# Altium PCB Copy of pioneer_2-bluepill_eletronic_wrapper.PcbDoc
Units mm, origin at the board's own origin, x right, y up, seen from the top; angles counter-clockwise.
Board outline 74.55 x 93.73 mm, 2 copper layers (Top Layer, Bottom Layer); 77 components, 73 nets, 284 pads, 72 vias.
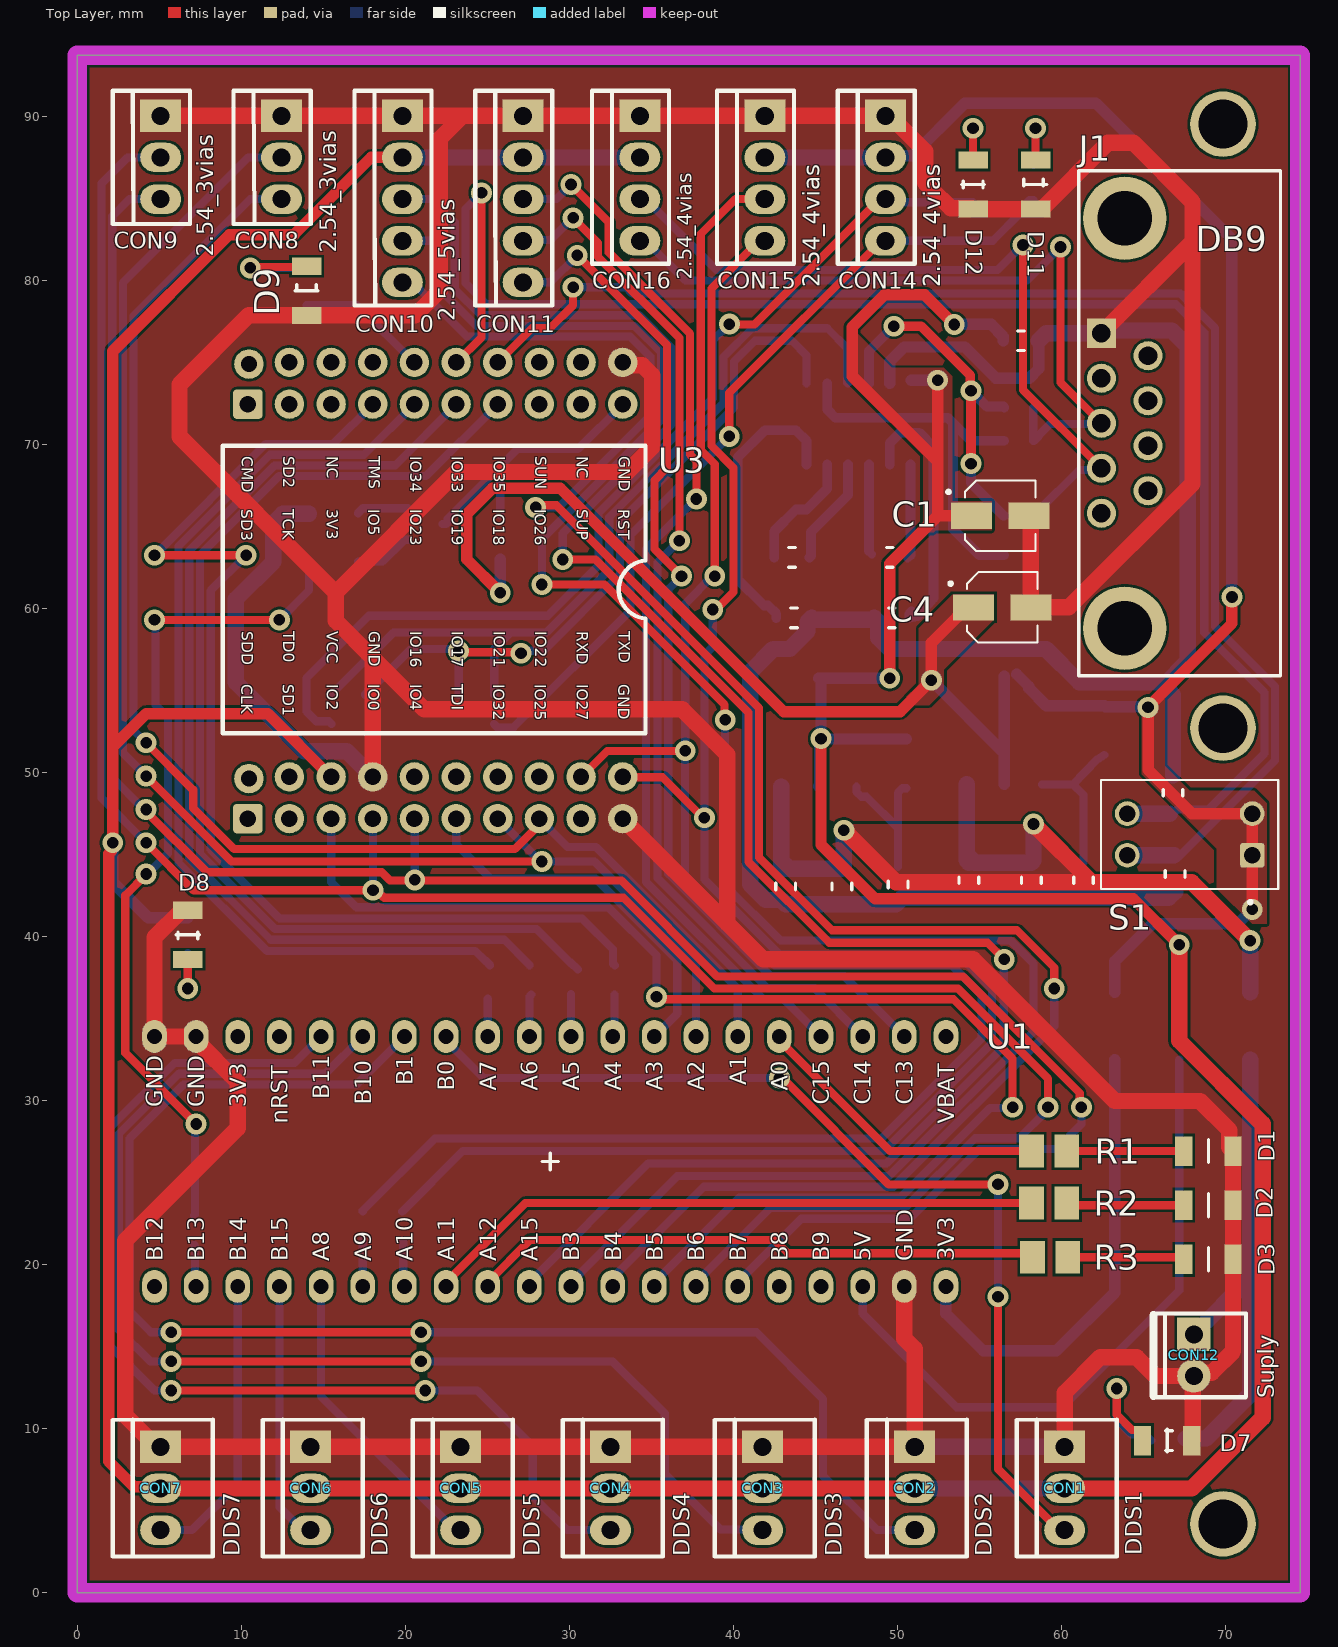
[diagram p0: Top Layer view]
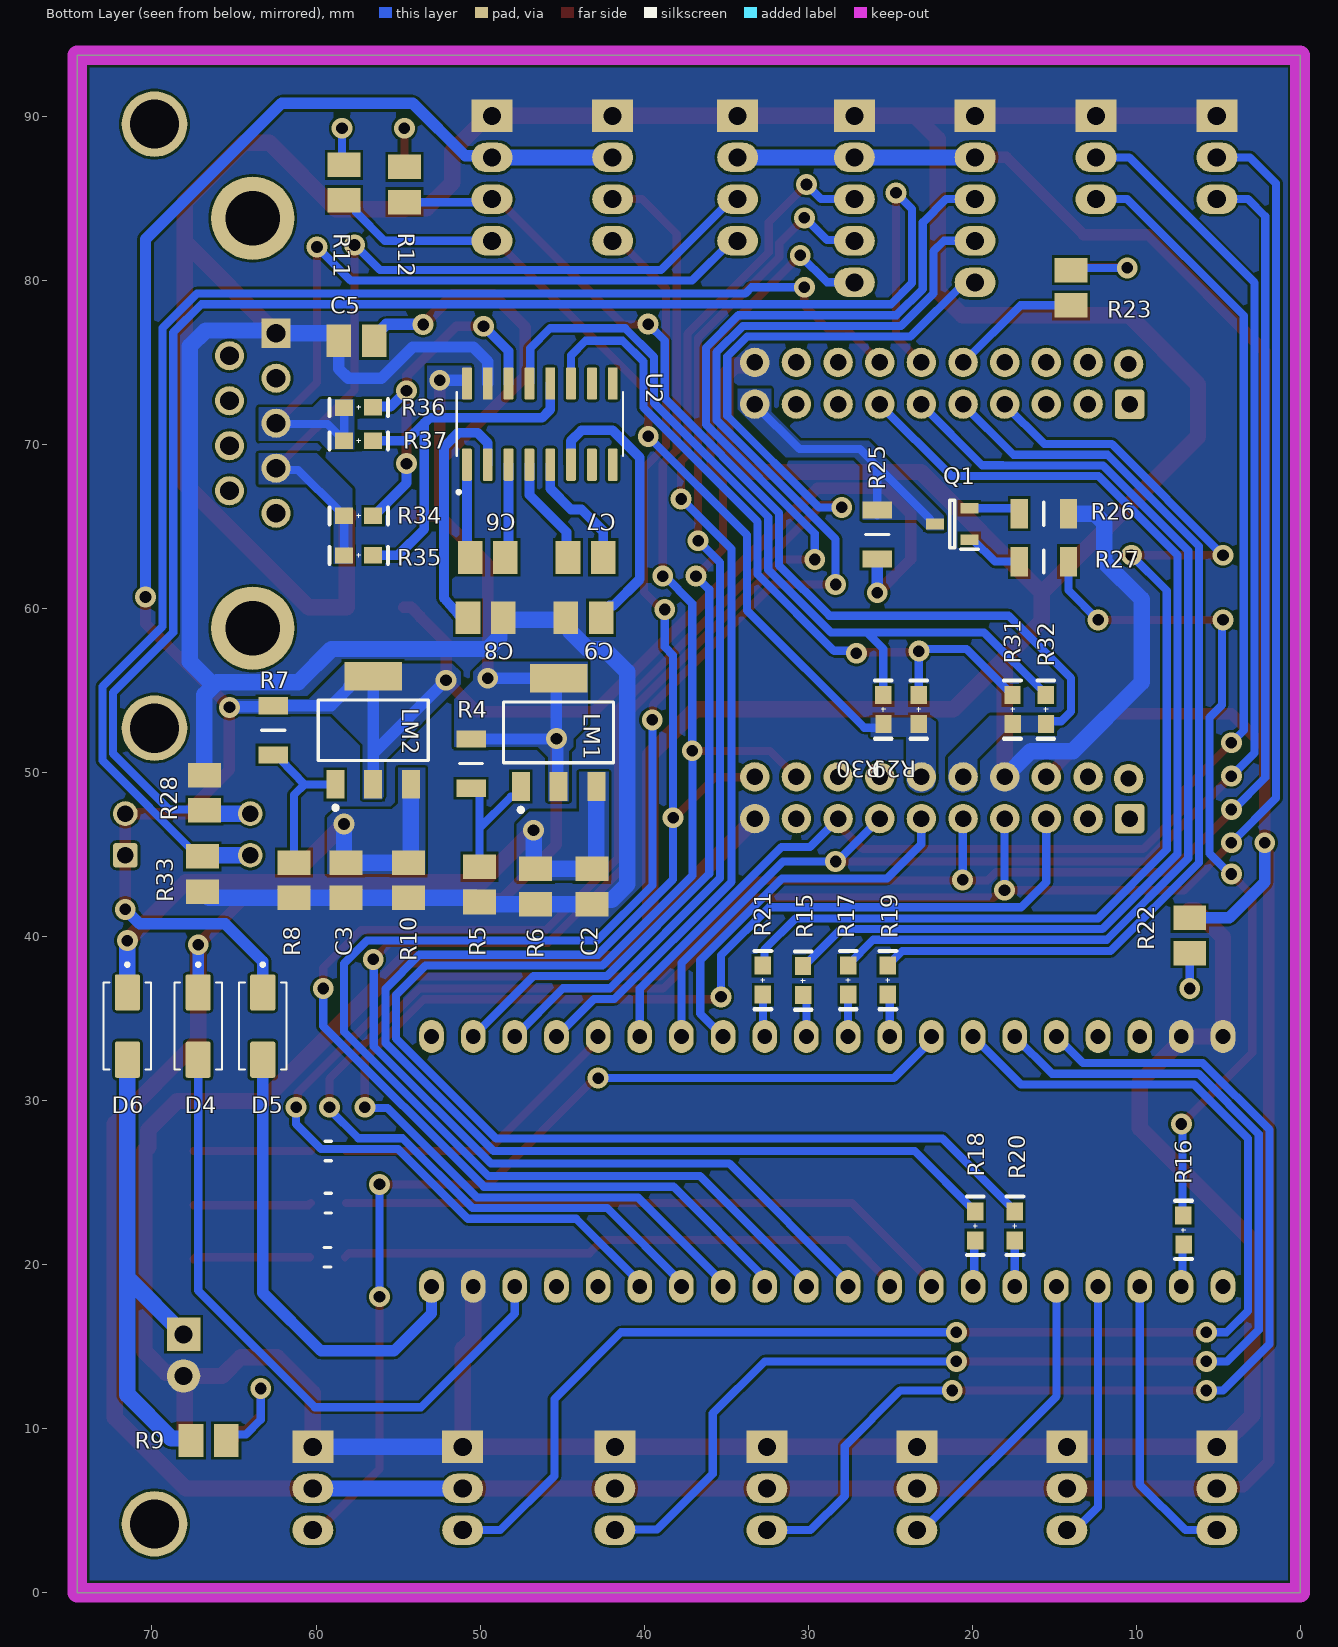
[diagram p1: Bottom Layer view, seen from below]

## Layer stack, top to bottom
Top Solder: solder mask 0.0102, Solder Resist, Dk 3.5
Top Layer: signal copper 0.0356
Dielectric 1: dielectric 0.32, FR-4, Dk 4.8
Bottom Layer: signal copper 0.0356
Bottom Solder: solder mask 0.0102, Solder Resist, Dk 3.5

## Board outline
0,0 74.549,0 74.549,93.726 0,93.726

## Design rules (kind name [scope] priority, off if disabled: settings)
Clearance [All] p1: gap=0.152 ignorepadtopadclearanceinfootprint=FALSE except(0: Arc-Hole Track-Hole SMDPad-Hole THPad-Hole Via-Hole Fill-Hole Poly-Hole Region-Hole Text-Hole)
ComponentClearance [All] p1: gap=0.1 collisioncheckmode=3 verticalgap=0.1 showdistances=FALSE
HoleSize [All] p1: absolutevalues=TRUE maxlimit=3.4 minlimit=0.025 maxpercent=80.000 minpercent=20.000
MinimumSolderMaskSliver [All] p1: minsoldermaskwidth=0.1
PolygonConnect [All] p1: connectstyle=Direct reliefconductorwidth=0.254 reliefentries=4 polygonreliefangle="90 Angle" airgapwidth=0.254
RoutingVias [All] p1: holewidth=0.4 width=0.8 viastyle="Through Hole" minholewidth=0.3 minwidth=0.6 maxholewidth=0.5 maxwidth=1
SilkToSilkClearance [All] p1: silktosilkclearance=0
SilkToSolderMaskClearance [IsPad] p1: minsilkscreentomaskgap=0 clearancetoexposedcopper=TRUE
SolderMaskExpansion [All] p1: expansion=0.08 istentingtop=FALSE
SupplyNets "Schematic Supply Nets_4" [InNet('gnd')] p1: voltage=0.000
SupplyNets "Schematic Supply Nets_3" [InNet('3v3')] p2: voltage=0.000
SupplyNets "Schematic Supply Nets_2" [InNet('5v')] p3: voltage=0.000
SupplyNets "Schematic Supply Nets" [InNet('VCC')] p4: voltage=0.000
Width [All] p1: maxlimit=1 minlimit=0.3 preferedwidth=0.5
25 further rules are at their usual default settings.

## Classes and differential pairs
component class U_pioneer_2-bluepill_eletronic_wrapper-supply: C1 C2 C3 C4 CON12 D4 D5 D6 D7 LM1 LM2 R4 R5 R6 R7 R8 R9 R10
component class U_pioneer_2-bluepill_eletronic_wrapper-communication: C5 C6 C7 C8 C9 CON14 CON15 CON16 D8 D9 D11 D12 J1 Q1 R11 R12 R15 R16 R17 R18 R19 R20 R21 R22 R23 R25 R26 R27 R28 R29 R30 R31 R32 R33 R34 R35 R36 R37 S1 U2 U3
component class pioneer_2-bluepill_eletronic_wrapper: CON1 CON2 CON3 CON4 CON5 CON6 CON7 CON8 CON9 CON10 CON11 D1 D2 D3 R1 R2 R3 U1

## Components (designator, comment, footprint, x,y, rotation, side; value= is the part's Value field where it differs from the comment)
C1 "smd 1uF" CAP_EEE1HA2R2SR 56.261,65.659 r0 top
C2 "0.1uF 0805" "CAPACITOR 0805" 43.18,43.053 r90 bottom
C3 "0.1uF 0805" "CAPACITOR 0805" 58.166,43.434 r90 bottom
C4 "smd 1uF" CAP_EEE1HA2R2SR 56.388,60.071 r0 top
C5 "1uF 0805" "CAPACITOR 0805" 57.531,76.327 r0 bottom
C6 "1uF 0805" "CAPACITOR 0805" 49.53,63.119 r0 bottom
C7 "1uF 0805" "CAPACITOR 0805" 43.561,63.119 r0 bottom
C8 "1uF 0805" "CAPACITOR 0805" 49.657,59.434 r0 bottom
C9 "1uF 0805" "CAPACITOR 0805" 43.688,59.436 r180 bottom
CON1 "DDS1" KK_3vias_180º 60.198,8.89 r270 top
CON2 "DDS2" KK_3vias_180º 51.054,8.89 r270 top
CON3 "DDS3" KK_3vias_180º 41.783,8.89 r270 top
CON4 "DDS4" KK_3vias_180º 32.512,8.89 r270 top
CON5 "DDS5" KK_3vias_180º 23.368,8.89 r270 top
CON6 "DDS6" KK_3vias_180º 14.224,8.89 r270 top
CON7 "DDS7" KK_3vias_180º 5.08,8.89 r270 top
CON8 "2.54_3vias" 3vias 12.446,90.043 r270 top
CON9 "2.54_3vias" 3vias 5.08,90.043 r270 top
CON10 "2.54_5vias" 5vias 19.812,90.043 r270 top
CON11 "2.54_5vias" 5vias 27.178,90.043 r270 top
CON12 "Suply" KK_2VIAS_180º 68.072,15.748 r270 top
CON14 "2.54_4vias" 4vias 49.276,90.043 r270 top
CON15 "2.54_4vias" 4vias 41.91,90.043 r270 top
CON16 "2.54_4vias" 4vias 34.29,90.043 r270 top
D1 "LED 3MM RED" "LED RED" 68.961,26.924 r0 top
D2 "LED 3MM RED" "LED RED" 68.961,23.622 r0 top
D3 "LED 3MM RED" "LED RED" 68.961,20.32 r0 top
D4 "Diode M7" DIOM505270X240 67.183,34.544 r270 bottom
D5 "Diode M7" DIOM505270X240 63.246,34.544 r270 bottom
D6 "Diode M7" DIOM505270X240 71.501,34.544 r270 bottom
D7 "LED 3MM RED" "LED RED" 66.445,9.271 r0 top
D8 "Led esp supply" "LED RED" 6.731,40.108 r90 top
D9 "Led state" "LED RED" 13.97,79.375 r270 top
D11 "Led TX" "LED RED" 58.42,85.852 r270 top
D12 "Led RX" "LED RED" 54.61,85.852 r270 top
J1 "DB9" *DB9_DB9(Primary) 63.856,71.298 r90 top
LM1 "LM317 Linear regulator - 5V" SOT-223-2 45.212,52.451 r180 bottom
LM2 "LM317 Linear regulator - 3V3" SOT-223-2 56.515,52.578 r180 bottom
Q1 "Trans BC817" SOT96P240X110-3N 21.209,65.151 r0 bottom
R1 "680R 0805" "RESISTOR 0805" 59.25,26.924 r180 top
R2 "680R 0805" "RESISTOR 0805" 59.25,23.749 r180 top
R3 "680R 0805" "RESISTOR 0805" 59.309,20.447 r180 top
R4 "1k 1206" RESC3216X60N 50.546,50.546 r90 bottom
R5 "3k 0805" "RESISTOR 0805" 50.038,43.18 r270 bottom
R6 "20k 0805" "RESISTOR 0805" 46.609,43.053 r270 bottom
R7 "3k3 1206" RESC3216X60N 62.611,52.578 r90 bottom
R8 "5k1 0805 5%" "RESISTOR 0805" 61.341,43.434 r90 bottom
R9 "680R 0805" "RESISTOR 0805" 66.548,9.271 r0 bottom
R10 "20k 0805" "RESISTOR 0805" 54.356,43.434 r270 bottom
R11 "680R 0805" "RESISTOR 0805" 58.293,85.979 r270 bottom
R12 "680R 0805" "RESISTOR 0805" 54.61,85.852 r270 bottom
R15 "0R" "RESISTOR 0603" 30.308,37.306 r90 bottom
R16 "0R" "RESISTOR 0603" 7.112,22.098 r90 bottom
R17 "0R" "RESISTOR 0603" 27.559,37.338 r90 bottom
R18 "0R" "RESISTOR 0603" 19.812,22.352 r90 bottom
R19 "0R" "RESISTOR 0603" 25.146,37.338 r90 bottom
R20 "0R" "RESISTOR 0603" 17.399,22.352 r90 bottom
R21 "0R" "RESISTOR 0603" 32.766,37.338 r90 bottom
R22 "680R 0805" "RESISTOR 0805" 6.731,40.064 r90 bottom
R23 "680R 0805" "RESISTOR 0805" 13.97,79.561 r270 bottom
R25 "2K2 1206" RESC3216X60N 25.781,64.516 r270 bottom
R26 "2K2 1206" RESC3216X60N 15.621,62.865 r180 bottom
R27 "2K2 1206" RESC3216X60N 15.621,65.786 r0 bottom
R28 "20k 0805" "RESISTOR 0805" 66.802,48.768 r270 bottom
R29 "0R" "RESISTOR 0603" 23.241,53.848 r270 bottom
R30 "0R" "RESISTOR 0603" 25.4,53.848 r270 bottom
R31 "0R" "RESISTOR 0603" 17.526,53.848 r270 bottom
R32 "0R" "RESISTOR 0603" 15.494,53.848 r270 bottom
R33 "20k 0805" "RESISTOR 0805" 66.929,43.815 r270 bottom
R34 "0R" "RESISTOR 0603" 57.404,65.659 r180 bottom
R35 "0R" "RESISTOR 0603" 57.404,63.246 r180 bottom
R36 "0R" "RESISTOR 0603" 57.404,72.263 r180 bottom
R37 "0R" "RESISTOR 0603" 57.404,70.231 r180 bottom
S1 "dip switch 2 channel" SW_DS02-254-2L-02BE 67.818,46.228 r90 top
U1 "BluePill" BluePill 28.829,26.289 r0 top
U2 "MAX3232ID" SOIC127P600X175-16N 46.355,71.247 r90 bottom
U3 "Small case to esp32 d1 mini" "ESP32 D1 MINI" 10.389,47.193 r270 top

## Footprints (in the part's own frame and the unit in brackets; to place one, negate y for a bottom-side part, rotate by r counter-clockwise, add the part's x,y. Pads: shape width x height; smd on the part's side, far side on the other; paste and mask are expansions set on the pad)
3vias [mm]
  rect 2x2.5 hole 1.1: 1(0,0)
  oval 1.8x2.5 hole 1.1: 2(2.54,0) 3(5.08,0)
  silkscreen extent -1.53,-2.92 6.6,1.78
4vias [mm]
  rect 2x2.5 hole 1.1: 1(0,0)
  oval 1.8x2.5 hole 1.1: 2(2.54,0) 3(5.08,0) 4(7.62,0)
  silkscreen extent -1.53,-2.92 9.02,1.78
5vias [mm]
  rect 2x2.5 hole 1.1: 1(0,0)
  oval 1.8x2.5 hole 1.1: 2(2.54,0) 3(5.08,0) 4(7.62,0) 5(10.16,0)
  silkscreen extent -1.53,-2.92 11.56,1.78
*DB9_DB9(Primary) [mil]
  round 70 hole 45: 1(-216,56) 2(-108,56) 3(0,56) 4(108,56) 6(-162,-56) 7(-54,-56) 8(54,-56) 9(162,-56)
  rect 70x70 hole 45: 5(216,56)
  round 200 hole 130: G1(492,0) G2(-492,0)
  silkscreen extent -606,-374 606,110, body extent -606,-610 606,122, height 483
BluePill [mm] "BluePill"
  oval 1.5x2 hole 0.9: 1(-24.13,-7.62) 2(-21.59,-7.62) 3(-19.05,-7.62) 4(-16.51,-7.62) 5(-13.97,-7.62) 6(-11.43,-7.62) 7(-8.89,-7.62) 8(-6.35,-7.62) 9(-3.81,-7.62) 10(-1.27,-7.62) 11(1.27,-7.62) 12(3.81,-7.62) 13(6.35,-7.62) 14(8.89,-7.62) 15(11.43,-7.62) 16(13.97,-7.62) 17(16.51,-7.62) 18(19.05,-7.62) 19(21.59,-7.62) 20(24.13,-7.62) 21(24.13,7.62) 22(21.59,7.62) 23(19.05,7.62) 24(16.51,7.62) 25(13.97,7.62) 26(11.43,7.62) 27(8.89,7.62) 28(6.35,7.62) 29(3.81,7.62) 30(1.27,7.62) 31(-1.27,7.62) 32(-3.81,7.62) 33(-6.35,7.62) 34(-8.89,7.62) 35(-11.43,7.62) 36(-13.97,7.62) 37(-16.51,7.62) 38(-19.05,7.62) 39(-21.59,7.62) 40(-24.13,7.62)
  silkscreen extent -0.5,-0.5 0.5,0.5, body extent -26.99,-11.23 31.65,11.27, height 19.68
CAP_EEE1HA2R2SR [mm]
  rect 2.5x1.6 smd: n(1.75,0) p(-1.75,0)
  silkscreen extent -3.25,-2.15 2.15,2.15, body extent -2.5,-2.15 2.5,2.15, height 5.8
"CAPACITOR 0805" [mm] "ceramic capacitor 0805"
  rect 1.5x2 smd: 1(-1.075,0) 2(1.075,0)
  body extent -1,-0.63 1,0.63, height 0.61
DIOM505270X240 [mm]
  rrect15% 2.21x1.53 smd: 1(-2.05,0) 2(2.05,0)
  silkscreen extent -3.85,-1.45 2.65,1.45, body extent -2.4,-1.27 2.65,1.43, height 2.37
"ESP32 D1 MINI" [mm]
  rrect25% 1.8x1.8 hole 1: 1(0,0) 21(-25.273,0)
  round 1.8 hole 1: 2(0,2.54) 3(0,5.08) 4(0,7.62) 5(0,10.16) 6(0,12.7) 7(0,15.24) 8(0,17.78) 9(0,20.32) 10(0,22.86) 11(-2.442,0.072) 12(-2.54,2.54) 13(-2.54,5.08) 14(-2.54,7.62) 15(-2.54,10.16) 16(-2.54,12.7) 17(-2.54,15.24) 18(-2.54,17.78) 19(-2.54,20.32) 20(-2.54,22.86) 22(-25.273,2.54) 23(-25.273,5.08) 24(-25.273,7.62) 25(-25.273,10.16) 26(-25.273,12.7) 27(-25.273,15.24) 28(-25.273,17.78) 29(-25.273,20.32) 30(-25.273,22.86) 31(-27.715,0.072) 32(-27.813,2.54) 33(-27.813,5.08) 34(-27.813,7.62) 35(-27.813,10.16) 36(-27.813,12.7) 37(-27.813,15.24) 38(-27.813,17.78) 39(-27.813,20.32) 40(-27.813,22.86)
  silkscreen extent -22.73,-1.52 -5.21,24.26, body extent -29.34,-8.69 1.66,30.73, height 12.22
KK_2VIAS_180º [mil]
  rect 80x80 hole 43.31: 1(0,0)
  round 80 hole 43.31: 2(100,0)
  silkscreen extent -50,-101 151,125, body extent -61,-108 165,128, height 468
KK_3vias_180º [mm]
  rect 2x2.5 hole 1.1: 1(0,0)
  oval 1.8x2.5 hole 1.1: 2(2.54,0) 3(5.08,0)
  silkscreen extent -1.65,-2.92 6.69,3.18, body extent -1.6,-2.95 6.69,3.05, height 11.9
"LED RED" [mm]
  rect 1.05x1.8 smd: 1(-1.5,0) 2(1.5,0)
  silkscreen extent 0,-0.7 0,0.7, body extent -0.79,-0.43 0.81,0.37, height 0.75
RESC3216X60N [mm]
  rect 1.05x1.8 smd: 1(-1.5,0) 2(1.5,0)
  silkscreen extent 0,-0.7 0,0.7, body extent -1.58,-0.8 1.58,0.8, height 0.6
"RESISTOR 0603" [mm] "RES 5% 0603"
  rect 1.1x1 smd: 1(-0.877,-0.011) 2(0.889,0)
  silkscreen extent -1.77,-0.52 1.79,0.5, body extent -0.8,-0.4 0.8,0.4, height 0.3
"RESISTOR 0805" [mm] "Chip Resistor, 2-Leads, Body 2,00x1,25mm, IPC Low Density"
  rect 1.5x2 smd: 1(-1.075,0) 2(1.075,0)
  body extent -1,-0.62 1,0.63
SOIC127P600X175-16N [mm]
  rrect25% 1.97x0.6 smd: 1(-2.475,4.445) 2(-2.475,3.175) 3(-2.475,1.905) 4(-2.475,0.635) 5(-2.475,-0.635) 6(-2.475,-1.905) 7(-2.475,-3.175) 8(-2.475,-4.445) 9(2.475,-4.445) 10(2.475,-3.175) 11(2.475,-1.905) 12(2.475,-0.635) 13(2.475,0.635) 14(2.475,1.905) 15(2.475,3.175) 16(2.475,4.445)
  silkscreen extent -4.24,-5.06 1.95,5.06, body extent -3,-4.95 3,4.95, height 1.75
SOT96P240X110-3N [mm]
  rect 1.1x0.65 smd: 1(-1.05,0.96) 2(-1.05,-0.96) 3(1.05,0)
  silkscreen extent -1.6,-1.45 0.15,1.54, body extent -1.2,-1.45 1.2,1.45, height 1.1
SOT-223-2 [mm] "SOT-223/SC-73; 4 Leads; Body 6.7 x 7.3 mm, inc. leads (LxW max)"
  rect 1.1x1.75 smd: 1(-2.3,-3.3) 2(0,-3.3) 3(2.3,-3.3)
  rect 3.5x1.75 smd: 4(0,3.3)
  silkscreen extent -3.35,-4.85 3.35,1.85, body extent -3.35,-3.7 3.35,3.5, height 1.85
SW_DS02-254-2L-02BE [mm]
  round 1.508 hole 1: 1A(1.27,-3.81) 1B(1.27,3.81) 2B(-1.27,3.81)
  rrect25% 1.5x1.5 hole 1: 2A(-1.27,-3.81)
  silkscreen extent -4.23,-5.4 3.33,5.4, body extent -3.3,-7.09 3.34,5.31, height 9.4

## Part data
C1 C4: library part "Cap. Elet. smd 1uF 50V", "Aluminum Organic Polymer Capacitors smd 50volts 1uF", Arrow Part Number=16SEPC470M, Manufacturer_Name=Panasonic, Mouser Part Number=667-16SEPC470M, Arrow Price/Stock=https://www.arrow.com/en/products/16sepc470m/panasonic, Datasheet Link=http://industrial.panasonic.com/www-cgi/jvcr13pz.cgi?E+CI+4+AAB8010+16SEPC470M+8+WW, Height=13mm, Manufacturer_Part_Number=16SEPC470M, Mouser Price/Stock=https://www.mouser.co.uk/ProductDetail/Panasonic/16SEPC470M?qs=OE1iw1LrrPEdZuWyF2l%252B5w%3D%3D
C2 C3 C5 C6 C7 C8 C9: library part "CAP 0805", "capacitor 0805", Case Code - in=0603, Case Code - mm=1608, Manufacturer="PANASONIC ELECTRONIC COMPONENTS", Manufacturer Part Number=ERJ-3GEY0R00V, Operating Temperature="-55°C ~ 155°C", Operating Temperature Range="- 55 C to + 155 C", Package / Case="0603 (1608 Metric)", Power (Watts)="0.1W, 1/10W", Power Rating=100, Resistance=0, Resistance (Ohms)=0.0, Resistance Tolerance=-, Resistor Case Style="0603 [1608 Metric]", Supplier Part Number 1=667-ERJ-3GEY0R00V, Tolerance=Jumper, Voltage Rating=75, Brand=Panasonic, Category=Resistors, ComponentLink1Description=http://www.farnell.com/cad/1697908.zip, ComponentLink1URL=http://www.farnell.com/cad/1697908.zip, ComponentLink2Description=http://www.farnell.com/datasheets/1678796.pdf, ComponentLink2URL=http://www.farnell.com/datasheets/1678796.pdf, ComponentLink3Description=http://industrial.panasonic.com/www-cgi/jvcr13pz.cgi?E+PZ+3+AOA0001+ERJ3GEY0R00V+7+WW, ComponentLink3URL=http://industrial.panasonic.com/www-cgi/jvcr13pz.cgi?E+PZ+3+AOA0001+ERJ3GEY0R00V+7+WW, ComponentLink4Description=http://www.mouser.com/ds/2/315/AOA0000C84-947596.pdf, ComponentLink4URL=http://www.mouser.com/ds/2/315/AOA0000C84-947596.pdf, Composition="Thick Film", Features="Automotive AEC-Q200", Height="0.022\" (0.55mm)", Length="1.6 mm", Minimum Order Quantity=1, MSL=-, Number of Terminations=2, Packaging="Cut Tape", Pricing 1="1=0.160, 10=0.019, 100=0.013, 500=0.010, 1000=0.005, 5000=0.003 (AUD)", Product="Thick Film Resistors Zero-Ohm", Product Range="AEC-Q200 ERJ3", Qualification=AEC-Q200, Reeling=True, RoHS=YES, RoHS - Mouser=E, Series=ERJ, Size / Dimension="0.063\" L x 0.031\" W (1.60mm x 0.80mm)", Stock 1=1987085, Supplier 1=Mouser, Supplier Device Package=0603, Temperature Coefficient=-, Termination Style=SMD/SMT, Type="Thick Film Resistors SMD", Width="0.8 mm"
CON1 CON2 CON3 CON4 CON5 CON6 CON7: library part KK_2.54_3vias, "Conector KK 2.54mm 3 vias", Descrição="Conector KK 3 vias com passo 2.54mm", Encapsulamento="PTH - 180º", Modelo="3 vias - 180º", Valor="KK 3 vias 180º"
CON8 CON9: "holes 2.54mm 3 vias", Descrição="Conector KK 3 vias com passo 2.54mm", Encapsulamento="PTH - 180º", Modelo="3 vias - 180º", Valor="3 vias"
CON10 CON11: "holes 2.54mm 5 vias", Descrição="Conector KK 3 vias com passo 2.54mm", Encapsulamento="PTH - 180º", Modelo="3 vias - 180º", Valor="5 vias"
CON12: library part KK_2.54_2vias, "Conector KK 2.54mm 2 vias", Descrição="Conector KK 3 vias com passo 2.54mm", Encapsulamento="PTH - 180º", Modelo="2 vias - 180º", Valor="KK 2 vias 180º"
CON14 CON15 CON16: "holes 2.54mm 4 vias", Descrição="Conector KK 3 vias com passo 2.54mm", Encapsulamento="PTH - 180º", Modelo="3 vias - 180º", Valor="4 vias"
D1 D2 D3 D7: Current If Luminous Intensity=2, Forward Current If=20, Forward Voltage VF Max=2.5, LED Colour=Red, Manufacturer=Paralight, Manufacturer Part Number=IMP585, Operating Temperature Max=85, Operating Temperature Min=-40, Operating Temperature Range="-40°C to +85", Peak Forward Current=7, Supplier Part Number 1="Led 3mm Vermelho Difuso L-314HD - Paralight", Voltage Vf Typ="2.2V<!--FANDB--><div class=\"features-and-benefits-container\"><div class=\"features-and-benefits-description\"><span class=\"features-benefits-value\">The L-934LID from Kingbright is a through hole round shape high efficiency red colour LED. The device is made of gallium arsenide phosphide on gallium phosphide orange light emitting diode. This LED is widely used because of low power consumption, long life and solid state reliability.</span></div><div class=\"features-and-benefits-list\"><ul class=\"features-and-benefits-list-list\"><li class=\"features-and-benefits-list-item\">Standard bulb size of T-1 (3mm)</li><li class=\"features-and-benefits-list-item\">Reliable and rugged</li><li class=\"features-and-benefits-list-item\">Viewing angle is 60°</li><li class=\"features-and-benefits-list-item\">Luminous intensity of 3mcd at 2mA</li><li class=\"features-and-benefits-list-item\">Forward voltage is 2.0V</li><li class=\"features-and-benefits-list-item\">Forward current (If) is 20mA</li><li class=\"features-and-benefits-list-item\">Dominant wavelength is 625nm at IF=20mA</li><li class=\"features-and-benefits-list-item\">Peak wavelength is 627nm at IF=20", Bulb Size=3mm, ComponentLink1Description=http://loja.multcomercial.com.br/led-3mm-vermelho-difuso-l-314hd-paralight.html, ComponentLink1URL=http://loja.multcomercial.com.br/led-3mm-vermelho-difuso-l-314hd-paralight.html, Dominant Wavelength=625, External Diameter=2.9, External Length / Height=4.6, Forward Current If Max=20, Forward Voltage=2, Lead Cross-section Depth=0.5, Lead Cross-section Width=0.5, Lead Spacing=2.54, LED / Lamp Size="3mm / T-1", LED Mounting="Through Hole", LED Type=Standard, Lens Shape=Round, Luminous Intensity=3, Luminous Intensity @ If Min=0.7, Luminous Intensity Typ=3, Mounting Type="PCB Through Hole", MSL=-, No. of Pins=2, Packaging=Each, Peak Wavelength=625, PIV Max=5, Pricing 1="1=0.15 (BRL)", RoHS=YES, Stock 1=35260, Supplier 1="Mult Comercial", SVHC="No SVHC (15-Jun-2015)", Viewing Angle=60°, Wavelength Typ=625
D4 D5 D6: "Diode, SMA, 1000V, 1A, 150°C", Package="DO-214AC Diotec", Check_prices=https://www.snapeda.com/parts/M7/Diotec/view-part/?ref=eda, MF="Diotec Semiconductor", MP=M7, SnapEDA_Link=https://www.snapeda.com/parts/M7/Diotec/view-part/?ref=snap
D8 D9 D11 D12: library part "LED 3MM RED", "LED 3MM RED", Current If Luminous Intensity=2, Forward Current If=20, Forward Voltage VF Max=2.5, LED Colour=Red, Manufacturer=Paralight, Manufacturer Part Number=IMP585, Operating Temperature Max=85, Operating Temperature Min=-40, Operating Temperature Range="-40°C to +85", Peak Forward Current=7, Supplier Part Number 1="Led 3mm Vermelho Difuso L-314HD - Paralight", Voltage Vf Typ="2.2V<!--FANDB--><div class=\"features-and-benefits-container\"><div class=\"features-and-benefits-description\"><span class=\"features-benefits-value\">The L-934LID from Kingbright is a through hole round shape high efficiency red colour LED. The device is made of gallium arsenide phosphide on gallium phosphide orange light emitting diode. This LED is widely used because of low power consumption, long life and solid state reliability.</span></div><div class=\"features-and-benefits-list\"><ul class=\"features-and-benefits-list-list\"><li class=\"features-and-benefits-list-item\">Standard bulb size of T-1 (3mm)</li><li class=\"features-and-benefits-list-item\">Reliable and rugged</li><li class=\"features-and-benefits-list-item\">Viewing angle is 60°</li><li class=\"features-and-benefits-list-item\">Luminous intensity of 3mcd at 2mA</li><li class=\"features-and-benefits-list-item\">Forward voltage is 2.0V</li><li class=\"features-and-benefits-list-item\">Forward current (If) is 20mA</li><li class=\"features-and-benefits-list-item\">Dominant wavelength is 625nm at IF=20mA</li><li class=\"features-and-benefits-list-item\">Peak wavelength is 627nm at IF=20", Bulb Size=3mm, ComponentLink1Description=http://loja.multcomercial.com.br/led-3mm-vermelho-difuso-l-314hd-paralight.html, ComponentLink1URL=http://loja.multcomercial.com.br/led-3mm-vermelho-difuso-l-314hd-paralight.html, Dominant Wavelength=625, External Diameter=2.9, External Length / Height=4.6, Forward Current If Max=20, Forward Voltage=2, Lead Cross-section Depth=0.5, Lead Cross-section Width=0.5, Lead Spacing=2.54, LED / Lamp Size="3mm / T-1", LED Mounting="Through Hole", LED Type=Standard, Lens Shape=Round, Luminous Intensity=3, Luminous Intensity @ If Min=0.7, Luminous Intensity Typ=3, Mounting Type="PCB Through Hole", MSL=-, No. of Pins=2, Packaging=Each, Peak Wavelength=625, PIV Max=5, Pricing 1="1=0.15 (BRL)", RoHS=YES, Stock 1=35260, Supplier 1="Mult Comercial", SVHC="No SVHC (15-Jun-2015)", Viewing Angle=60°, Wavelength Typ=625
J1: "Cable Grip 0.38 ~ 0.50 (9.5mm ~ 12.7mm) Aluminum - Silver", Package=None, Check_prices=https://www.snapeda.com/parts/DB-9/Amphenol/view-part/?ref=eda, MF=Amphenol, MP=DB-9, SnapEDA_Link=https://www.snapeda.com/parts/DB-9/Amphenol/view-part/?ref=snap
LM1 LM2: library part "lm317 smd", "SOT223"
Q1: "Transistor BJT NPN BC817-25-7-F", Arrow Part Number=BC817-25-7-F, Manufacturer_Name="Diodes Inc.", Mouser Part Number=621-BC817-25-7-F, Arrow Price/Stock=https://www.arrow.com/en/products/bc817-25-7-f/diodes-incorporated, Datasheet Link=https://www.diodes.com/assets/Datasheets/ds11107.pdf, Height=1.1mm, Manufacturer_Part_Number=BC817-25-7-F, Mouser Price/Stock=https://www.mouser.co.uk/ProductDetail/Diodes-Incorporated/BC817-25-7-F?qs=rGAXPo9uwV0jK0EyLZnqOw%3D%3D
R1 R2 R3 R5 R6 R8 R9 R10 R11 R12 R22 R23 R28 R33: library part "RES 0805 5%", "0805", Case Code - in=0603, Case Code - mm=1608, Manufacturer="PANASONIC ELECTRONIC COMPONENTS", Manufacturer Part Number=ERJ-3GEY0R00V, Operating Temperature="-55°C ~ 155°C", Operating Temperature Range="- 55 C to + 155 C", Package / Case="0603 (1608 Metric)", Power (Watts)="0.1W, 1/10W", Power Rating=100, Resistance=0, Resistance (Ohms)=0.0, Resistance Tolerance=-, Resistor Case Style="0603 [1608 Metric]", Supplier Part Number 1=667-ERJ-3GEY0R00V, Tolerance=Jumper, Voltage Rating=75, Brand=Panasonic, Category=Resistors, ComponentLink1Description=http://www.farnell.com/cad/1697908.zip, ComponentLink1URL=http://www.farnell.com/cad/1697908.zip, ComponentLink2Description=http://www.farnell.com/datasheets/1678796.pdf, ComponentLink2URL=http://www.farnell.com/datasheets/1678796.pdf, ComponentLink3Description=http://industrial.panasonic.com/www-cgi/jvcr13pz.cgi?E+PZ+3+AOA0001+ERJ3GEY0R00V+7+WW, ComponentLink3URL=http://industrial.panasonic.com/www-cgi/jvcr13pz.cgi?E+PZ+3+AOA0001+ERJ3GEY0R00V+7+WW, ComponentLink4Description=http://www.mouser.com/ds/2/315/AOA0000C84-947596.pdf, ComponentLink4URL=http://www.mouser.com/ds/2/315/AOA0000C84-947596.pdf, Composition="Thick Film", Features="Automotive AEC-Q200", Height="0.022\" (0.55mm)", Length="1.6 mm", Minimum Order Quantity=1, MSL=-, Number of Terminations=2, Packaging="Cut Tape", Pricing 1="1=0.160, 10=0.019, 100=0.013, 500=0.010, 1000=0.005, 5000=0.003 (AUD)", Product="Thick Film Resistors Zero-Ohm", Product Range="AEC-Q200 ERJ3", Qualification=AEC-Q200, Reeling=True, RoHS=YES, RoHS - Mouser=E, Series=ERJ, Size / Dimension="0.063\" L x 0.031\" W (1.60mm x 0.80mm)", Stock 1=1987085, Supplier 1=Mouser, Supplier Device Package=0603, Temperature Coefficient=-, Termination Style=SMD/SMT, Type="Thick Film Resistors SMD", Width="0.8 mm"